# Altium PCB STM32MP25XXAK_LPDDR4_ascii.PcbDoc (part 5 of 5)
Units mm, origin at the board's own origin, x right, y up, seen from the top; angles counter-clockwise.
Board outline 120 x 79.6 mm, 4 copper layers (Top Layer, Signal Layer 1, Signal Layer 2, Bottom Layer), stack 1.614 mm thick; 190 components, 143 nets, 1208 pads, 757 vias.
Unrouted connection lines stored in the file: 3.
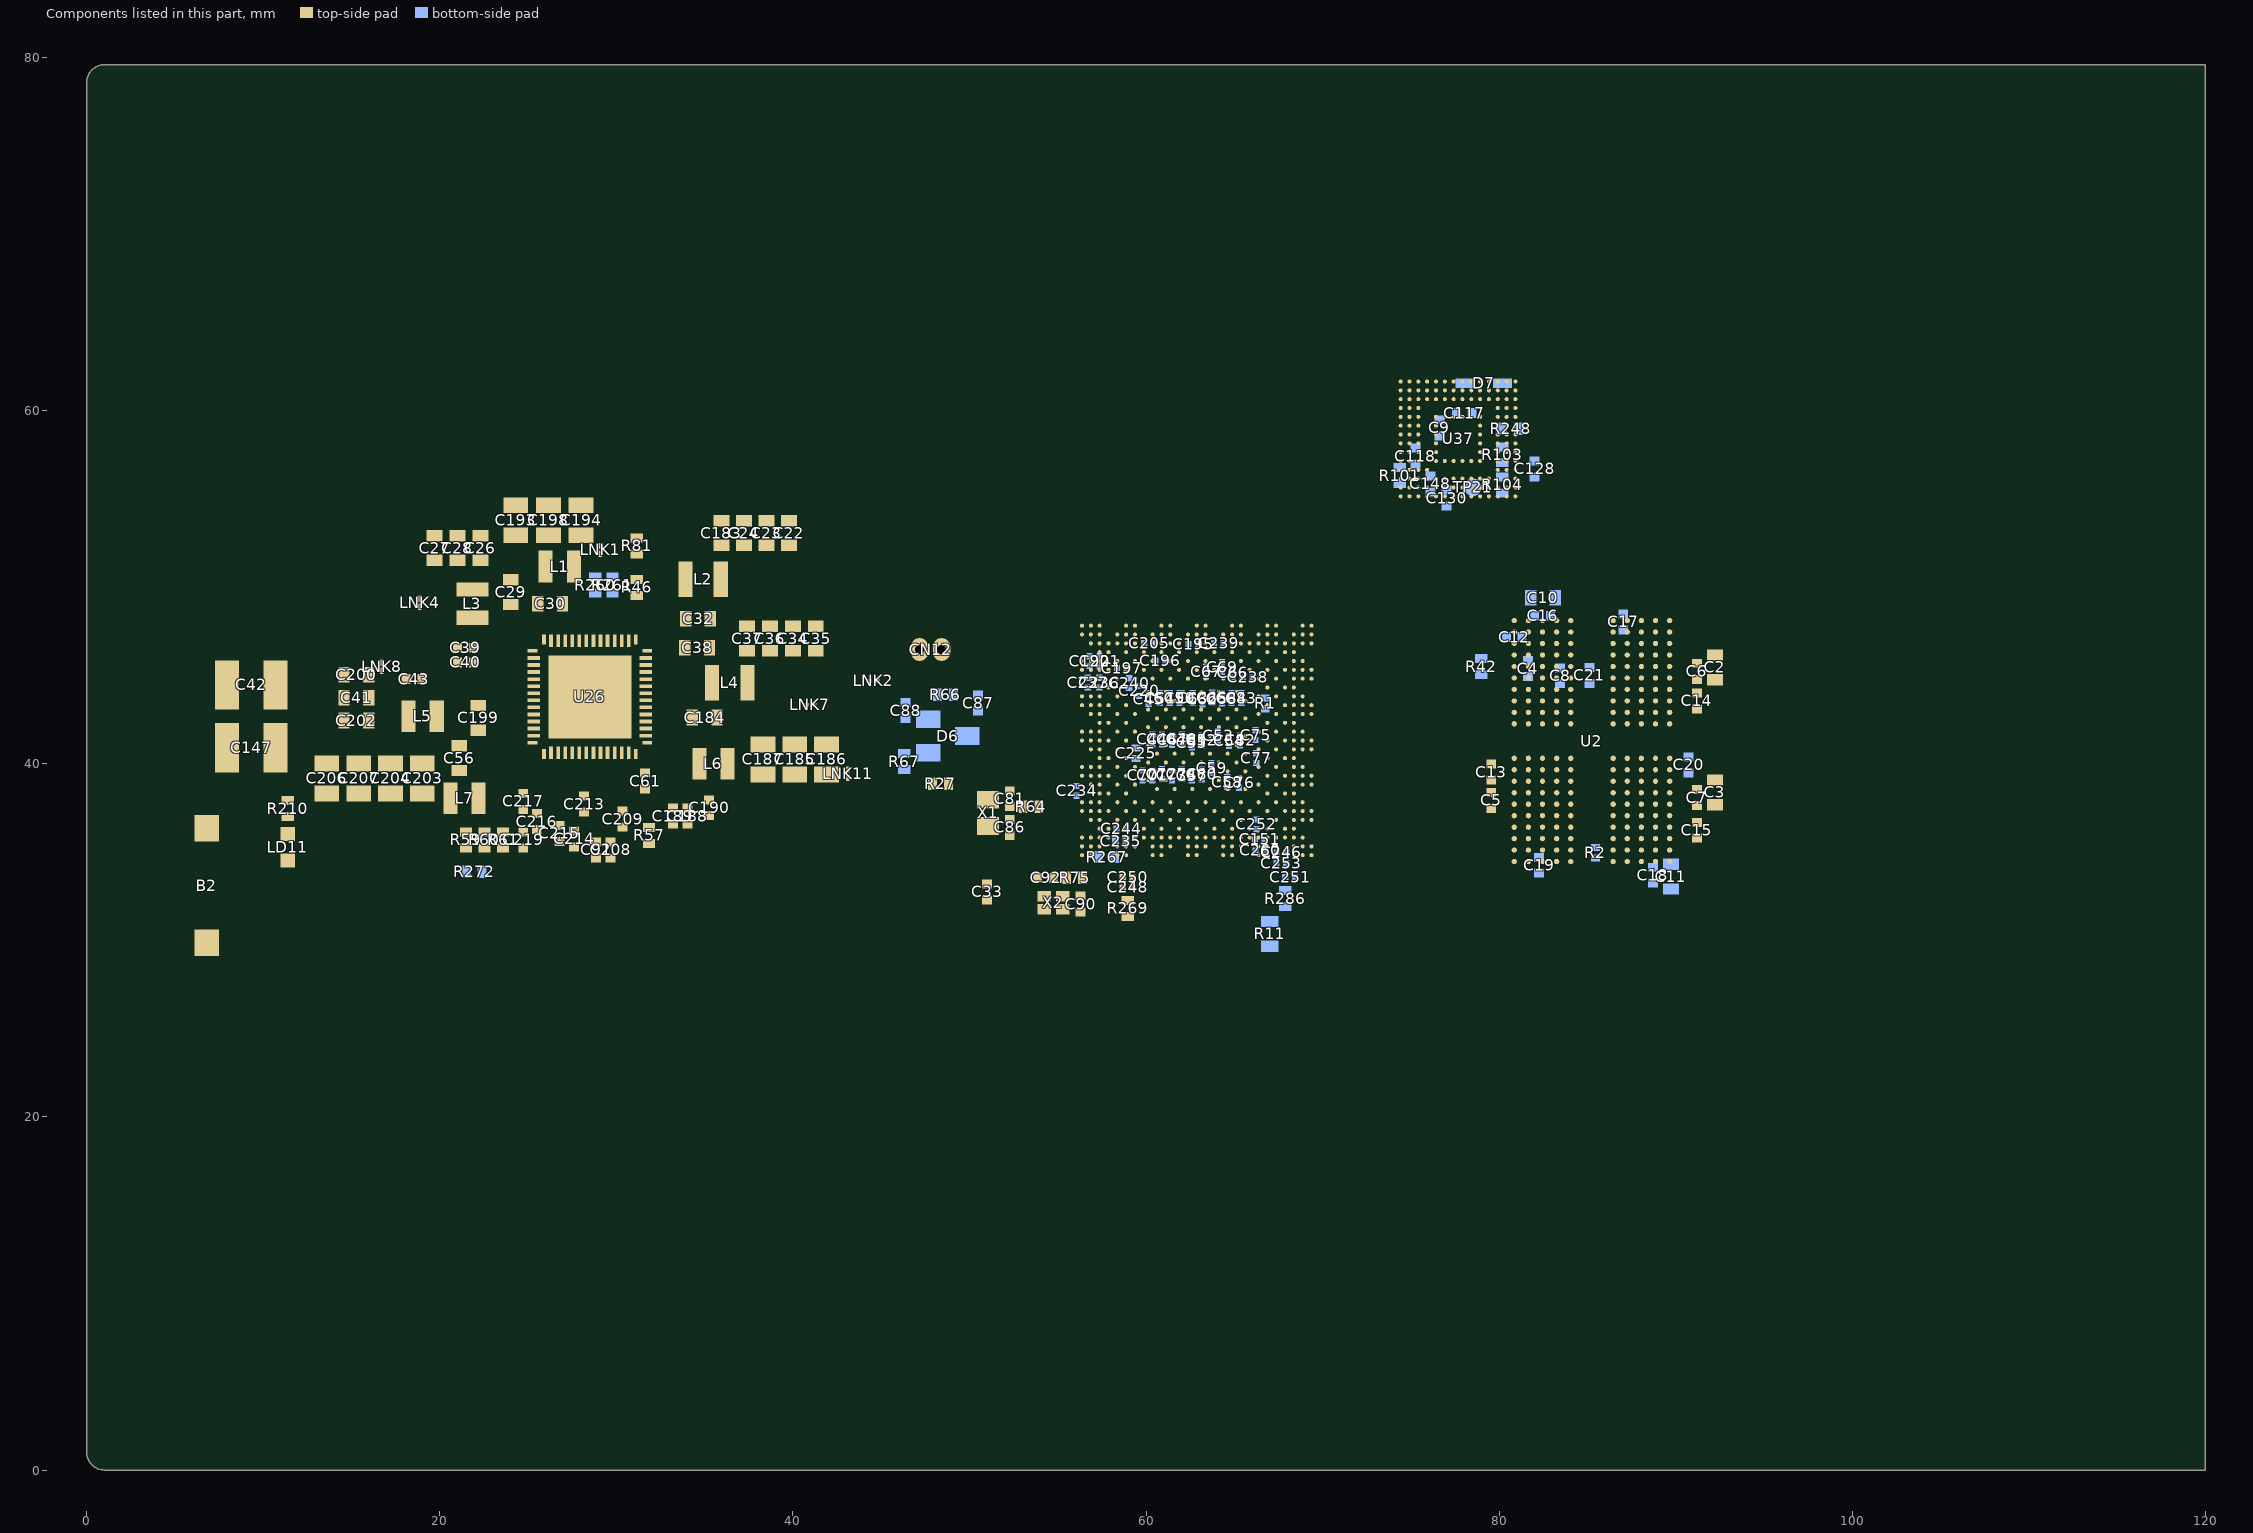
[diagram p6: the components of this part, seen from the top]

## Polygon pours and split planes (outlines as drawn) (continued)
5V_STLK on Signal Layer 2 "5V_STLK_L03_P051" (solid, pour order 51): 11.875,50.635 37.435,50.635 37.475,50.595 37.475,31.99 14.15,31.99 11.911,34.229
GND on Top Layer "GND_L01_P053" (solid, remove dead copper, pour order 53): 0,79.797 120,79.797 120,0.197 0,0.197
5V_STLK on Top Layer "5V_VIN" (solid, pour order 17): 22.51,43.62 23.167,43.62 23.35,43.803 23.35,43.463 22.867,42.98 22.51,42.98
VDDCPU on Top Layer "I_SENS_VDDCPU_P" (solid, pour order 18): 17.812,51.845 17.812,49.998 18.335,49.475 22.75,49.475 22.745,49.48 22.745,51.845
VDDCORE on Top Layer "I_SENS_VDDCORE_P" (solid, pour order 19): 41.007,52.695 43.889,49.813 43.889,43.586 43.894,43.581 42.44,43.581 41.895,44.126 41.895,48.827 41.522,49.2 39.875,49.2 35.515,49.2 35.505,52.695
VDDGPU on Top Layer "I_SENS_VDDGPU_P" (solid, pour order 20): 41.603,43.6 41.745,43.742 41.745,46.72 37.025,46.72 37.025,43.6
VDDIO on Top Layer "VDDIO" (solid, pour order 22): 30.995,46.77 30.995,48.568 31.53,49.103 31.712,49.103 32.15,48.664 32.15,48.123 31.45,47.423 31.45,46.77
3V3 on Top Layer "3V3" (solid, pour order 23): 12.887,36.548 13.062,36.373 19.41,36.373 20.712,37.675 20.712,38.523 13.088,38.523 12.887,38.323
NetL6_1 on Top Layer "NetL13_1" (solid, pour order 25): 33.375,41.863 33.838,41.4 35.1,41.4 35.1,39.1 35.098,39.098 33.801,39.098 33.801,40.722 33.375,41.148
GND on Signal Layer 1 "GND_L02_P000" (solid, remove dead copper, pour order 0): 0,79.6 120,79.6 120,0 0,0
GND on Bottom Layer "GND_L04_P055" (solid, remove dead copper, pour order 55): 0,79.6 120,79.6 120,0 0,0

## Other copper
Top Layer:
  rectangle net VDD2_DDR: 15.655,41.8 18.625,43.6

## Silkscreen, mask and mechanical layers (free items; w line width, h text height)
Top Overlay:
  text "J" at 27.263,70.56 h15
Drill Drawing:
  drawing of 190 lines, arcs and shapes, not listed
  text "PCB SPECIFICATIONS :" at -27.02,127.275 h3
  text "A.   MATERIAL :" at -27.02,123.275 h3
  text "FR-4" at 11.48,123.275 h3
  text "TG-170" at 27.98,123.275 h3
  text "X  TG-150" at 46.23,123.275 h3
  text "TG-140" at 62.23,123.275 h3
  text "B.   MATERIAL FAMILY :" at -27.02,120.275 h3
  text "N/A" at 11.48,120.275 h3
  text "C.   SOLDERMASK COLOR :" at -27.02,117.275 h3
  text "GREEN" at 11.48,117.275 h3
  text "X  BLUE" at 27.98,117.275 h3
  text "RED" at 46.23,117.275 h3
  text "BLACK" at 62.23,117.275 h3
  text "D.   SILKSCREEN COLOR :" at -27.02,114.275 h3
  text "X  WHITE" at 11.48,114.275 h3
  text "YELLOW" at 27.98,114.275 h3
  text "BLACK" at 46.23,114.275 h3
  text "PCB : TYPE 4" at 187.138,113.471 h3
  text "Layer" at 122.2,111.475 h2
  text "Name" at 130.564,111.475 h2
  text "Material" at 146.732,111.475 h2
  text "Thickness" at 161.266,111.475 h2
  text "Constant" at 173.202,111.475 h2
  text "E.   SURFACE FINISH :" at -27.02,111.275 h3
  text "X  ENIG" at 11.48,111.275 h3
  text "IMMERSION SILVER" at 27.98,111.275 h3
  text "IMMERSION TIN" at 62.23,111.275 h3
  text "HASL" at 11.48,108.275 h3
  text "HASL (PB-FREE)" at 27.98,108.275 h3
  text "GOLDEN FINGER" at 62.23,108.275 h3
  text "ASPECT-RATIO, AXE Z :" at 187.138,107.971 h3
  text "Top Overlay" at 130.564,107.475 h2
  text "F.   IMPEDANCE CONTROL :" at -27.02,105.275 h3
  text "NO" at 11.48,105.275 h3
  text "X  YES" at 27.98,105.275 h3
  text "Top Solder" at 130.564,103.475 h2
  text "Solder Resist" at 146.732,103.475 h2
  text "0.025mm" at 161.266,103.475 h2
  text "3.5" at 173.202,103.475 h2
  text "G.   THROUGH VIA :" at -27.02,102.275 h3
  text "PLUG THE VIAS WHICH ARE COVERED WITH SOLDERMASK ONE OR TWO SIDE." at 11.48,102.275 h3
  text "6 :1  to  8 :1 / LEVEL \"B\"" at 187.157,101.224 h3
  text "1" at 122.2,99.475 h2
  text "Top Layer" at 130.564,99.475 h2
  text "0.037mm" at 161.266,99.475 h2
  text "PLUG MATERIAL :" at 11.48,99.275 h3
  text "X  SOLDERMASK" at 36.98,99.275 h3
  text "NON-CONDUCTIVE EPOXY." at 62.23,99.275 h3
  text "H.   STACK-UP :" at -27.02,96.275 h3
  text "SEE LAYER STACK-UP SEQUENCE FOR OVERALL THICKNESS." at 11.48,96.275 h3
  text "Dielectric 1" at 130.564,95.475 h2
  text "0.070mm" at 161.266,95.475 h2
  text "3.8" at 173.202,95.475 h2
  text "2" at 122.198,91.475 h2
  text "Signal Layer 1" at 130.564,91.475 h2
  text "0.035mm" at 161.266,91.475 h2
  text "MINIMUN PARAMETERS" at 187.25,89.695 h3
  text "Dielectric 2" at 130.564,87.475 h2
  text "1.330mm" at 161.266,87.475 h2
  text "4.3" at 173.202,87.475 h2
  text "DEFAULT" at 187.25,84.195 h3
  text "3" at 122.2,83.475 h2
  text "Signal Layer 2" at 130.564,83.475 h2
  text "0.035mm" at 161.266,83.475 h2
  text "Dielectric 3" at 130.564,79.475 h2
  text "0.070mm" at 161.266,79.475 h2
  text "3.8" at 173.202,79.475 h2
  text "TRACKS : 0.100mm           / GAPS : 0.100mm" at 187.25,78.445 h3
  text "4" at 122.2,75.475 h2
  text "Bottom Layer" at 130.564,75.475 h2
  text "0.037mm" at 161.266,75.475 h2
  text "BGA :" at 187.225,73.62 h3
  text "Bottom Solder" at 130.564,71.475 h2
  text "Solder Resist" at 146.732,71.475 h2
  text "0.025mm" at 161.266,71.475 h2
  text "3.5" at 173.202,71.475 h2
  text "TRACKS : 0.090mm           / GAPS : 0.090mm" at 187.225,67.87 h3
  text "Bottom Overlay" at 130.564,67.475 h2
  text "Symbol" at 108.265,-14.395 h2.4
  text "Count" at 117.653,-14.395 h2.4
  text "Hole Size" at 127.378,-14.395 h2.4
  text "Plated" at 138.78,-14.395 h2.4
  text "Hole Type" at 147.023,-14.395 h2.4
  text "Drill Layer Pair" at 159.023,-14.395 h2.4
  text "Via/Pad" at 181.752,-14.395 h2.4
  text "Pad Shape" at 191.584,-14.395 h2.4
  text "Hole Length" at 204.429,-14.395 h2.4
  text "480" at 117.653,-18.533 h2
  text "0.200mm" at 127.378,-18.533 h2
  text "PTH" at 138.78,-18.533 h2
  text "Round" at 147.023,-18.533 h2
  text "Top Layer - Bottom Layer" at 159.023,-18.533 h2
  text "Via" at 181.752,-18.533 h2
  text "Rounded" at 191.584,-18.533 h2
  text "-" at 204.429,-18.533 h2
  text "D" at 107.477,-18.786 h1.84
  text "277" at 117.653,-22.67 h2
  text "0.350mm" at 127.378,-22.67 h2
  text "PTH" at 138.78,-22.67 h2
  text "Round" at 147.023,-22.67 h2
  text "Top Layer - Bottom Layer" at 159.023,-22.67 h2
  text "Via" at 181.752,-22.67 h2
  text "Rounded" at 191.584,-22.67 h2
  text "-" at 204.429,-22.67 h2
  text "C" at 107.477,-22.924 h1.84
  text "2" at 117.653,-26.807 h2
  text "0.500mm" at 127.378,-26.807 h2
  text "PTH" at 138.78,-26.807 h2
  text "Round" at 147.023,-26.807 h2
  text "Top Layer - Bottom Layer" at 159.023,-26.807 h2
  text "Pad" at 181.752,-26.807 h2
  text "Rounded" at 191.584,-26.807 h2
  text "-" at 204.429,-26.807 h2
  text "759 Total" at 117.653,-30.945 h2

## Text inside footprints (layer, text, board x,y; h text height)
CN12: Bottom Assembly "2" at 46.925,46.075 h1; Bottom Assembly "1" at 48.925,46.075 h1; Bottom Overlay "1" at 50.4,45.275 h1.5
D7: Bottom Assembly "K" at 78.1,61.163 h1.2
LD11: Top Assembly "K" at 11.136,34.372 h0.75 r270
U1: Top Assembly "A1" at 56.125,47.625 h0.4
U2: Top Assembly "A5" at 86.785,34.64 h0.4 r180; Top Assembly "AB12" at 81.585,48.29 h0.4 r180; Top Assembly "AB8" at 84.56,48.29 h0.4 r180; Top Assembly "AB5" at 86.96,48.29 h0.4 r180; Top Assembly "AB1" at 90.085,48.29 h0.4 r180; Top Assembly "N12" at 81.335,42.44 h0.4 r180; Top Assembly "N8" at 84.385,42.44 h0.4 r180; Top Assembly "N5" at 86.785,42.44 h0.4 r180; Top Assembly "N1" at 89.91,42.44 h0.4 r180; Top Assembly "K12" at 81.31,40.49 h0.4 r180; Top Assembly "K8" at 84.385,40.49 h0.4 r180; Top Assembly "K5" at 86.76,40.49 h0.4 r180; Top Assembly "K1" at 89.885,40.49 h0.4 r180; Top Assembly "A12" at 81.335,34.64 h0.4 r180; Top Assembly "A8" at 84.385,34.64 h0.4 r180; Top Assembly "A1" at 89.91,34.64 h0.4 r180
U26: Top Assembly "56" at 25.625,40.925 h0.5 r90; Top Assembly "43" at 25.625,46.15 h0.5 r90; Top Assembly "42" at 26.05,46.55 h0.5 r90; Top Assembly "29" at 31.25,46.525 h0.5 r90; Top Assembly "28" at 31.7,46.15 h0.5 r90; Top Assembly "15" at 31.675,40.95 h0.5 r90; Top Assembly "14" at 31.25,40.625 h0.5 r90; Top Assembly "1" at 26.05,40.7 h0.5 r90; Top Overlay "1" at 24.911,39.137 h1.5
U37: Top Assembly "A1" at 74.175,55.005 h0.5; Top Overlay "A1" at 73.125,53.905 h1.5
X2: Top Assembly "4" at 55.334,31.96 h0.45 r180; Top Assembly "3" at 54.384,31.96 h0.45 r180; Top Assembly "2" at 54.384,32.61 h0.45 r180; Top Assembly "1" at 55.284,32.61 h0.45 r180